# KiCad board kicad.kicad_pcb
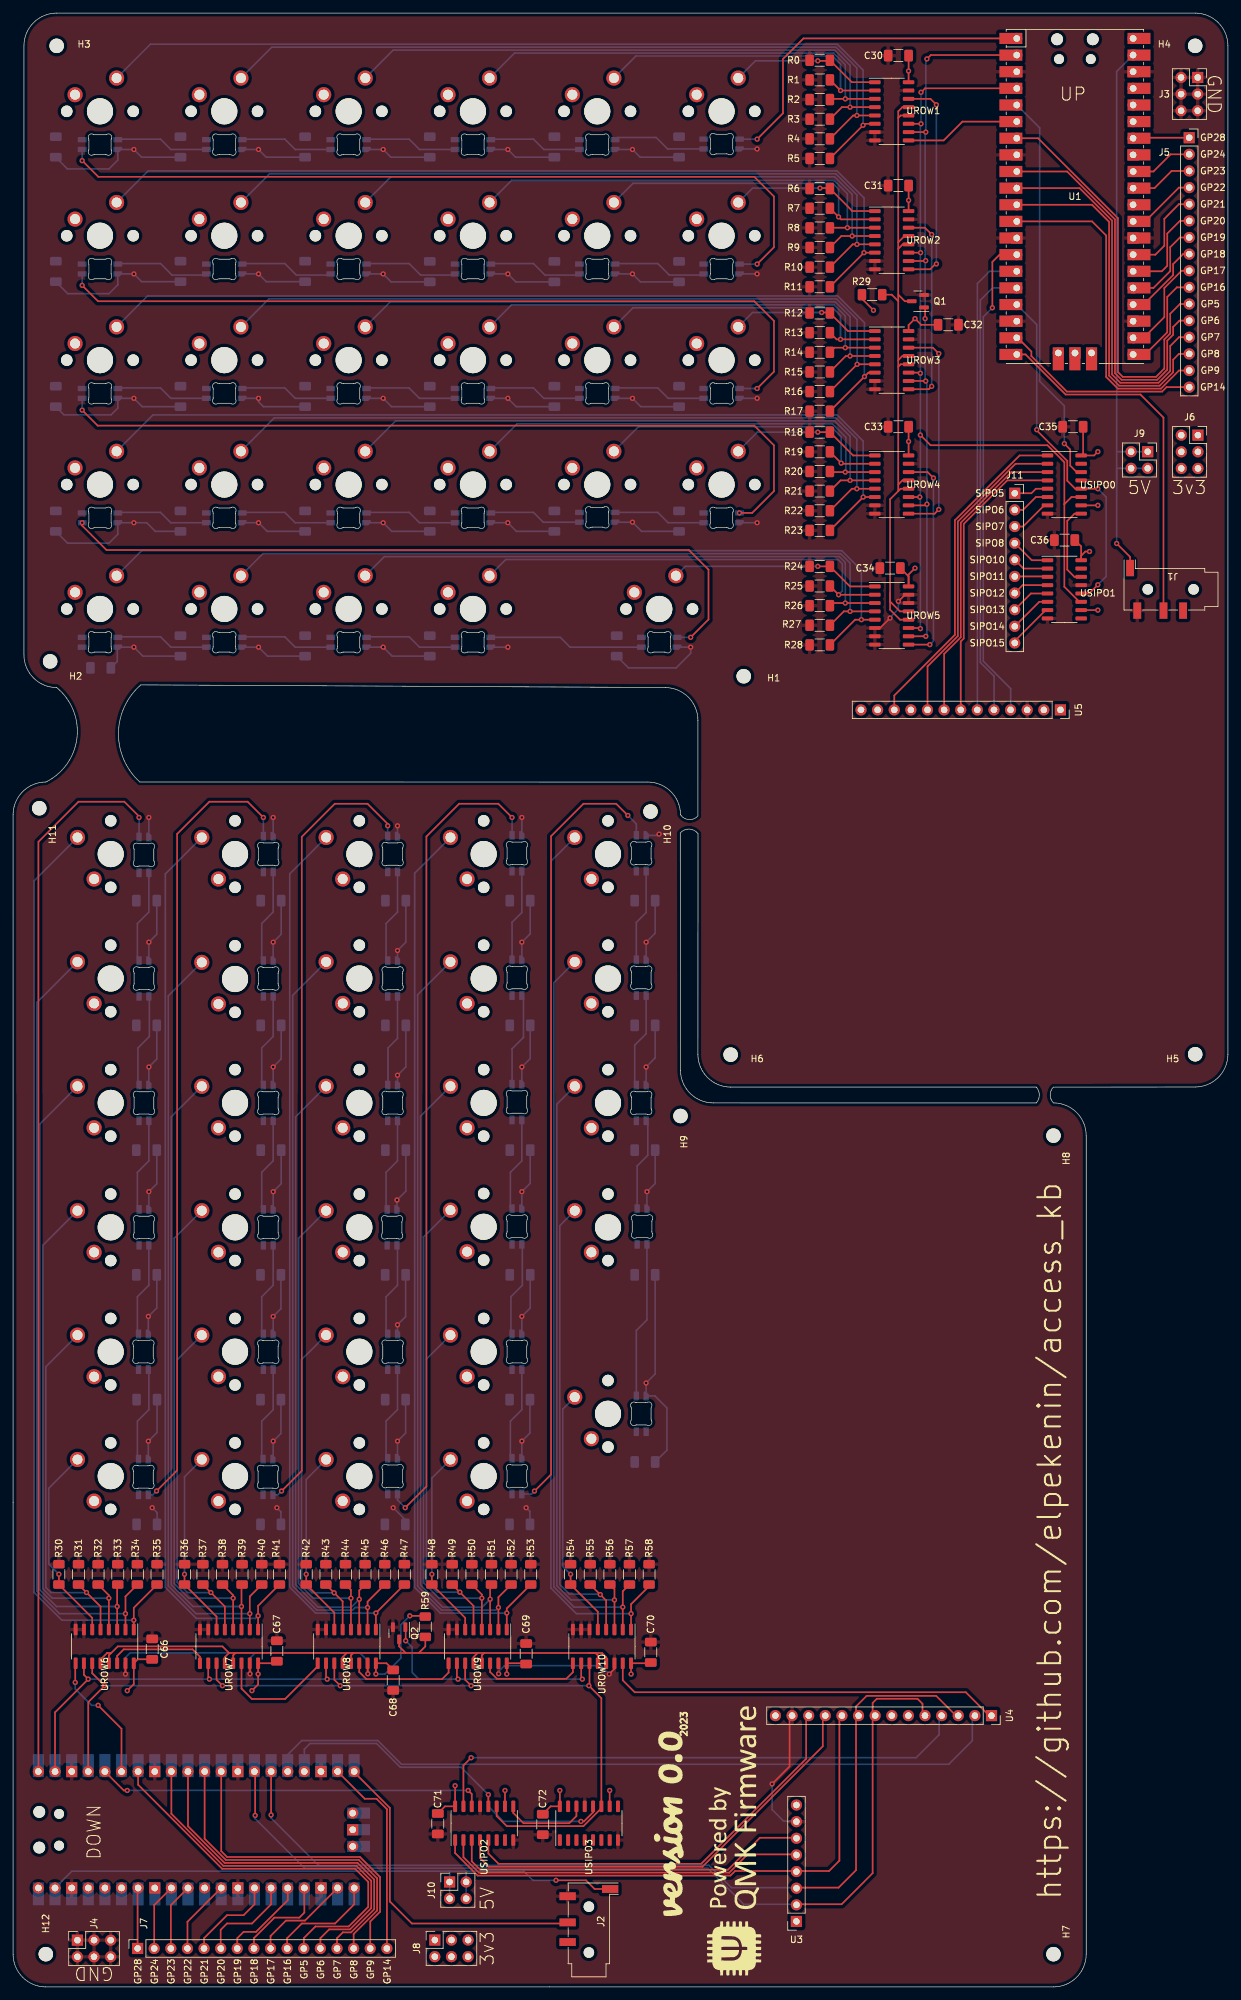
[diagram p0: board, top side]
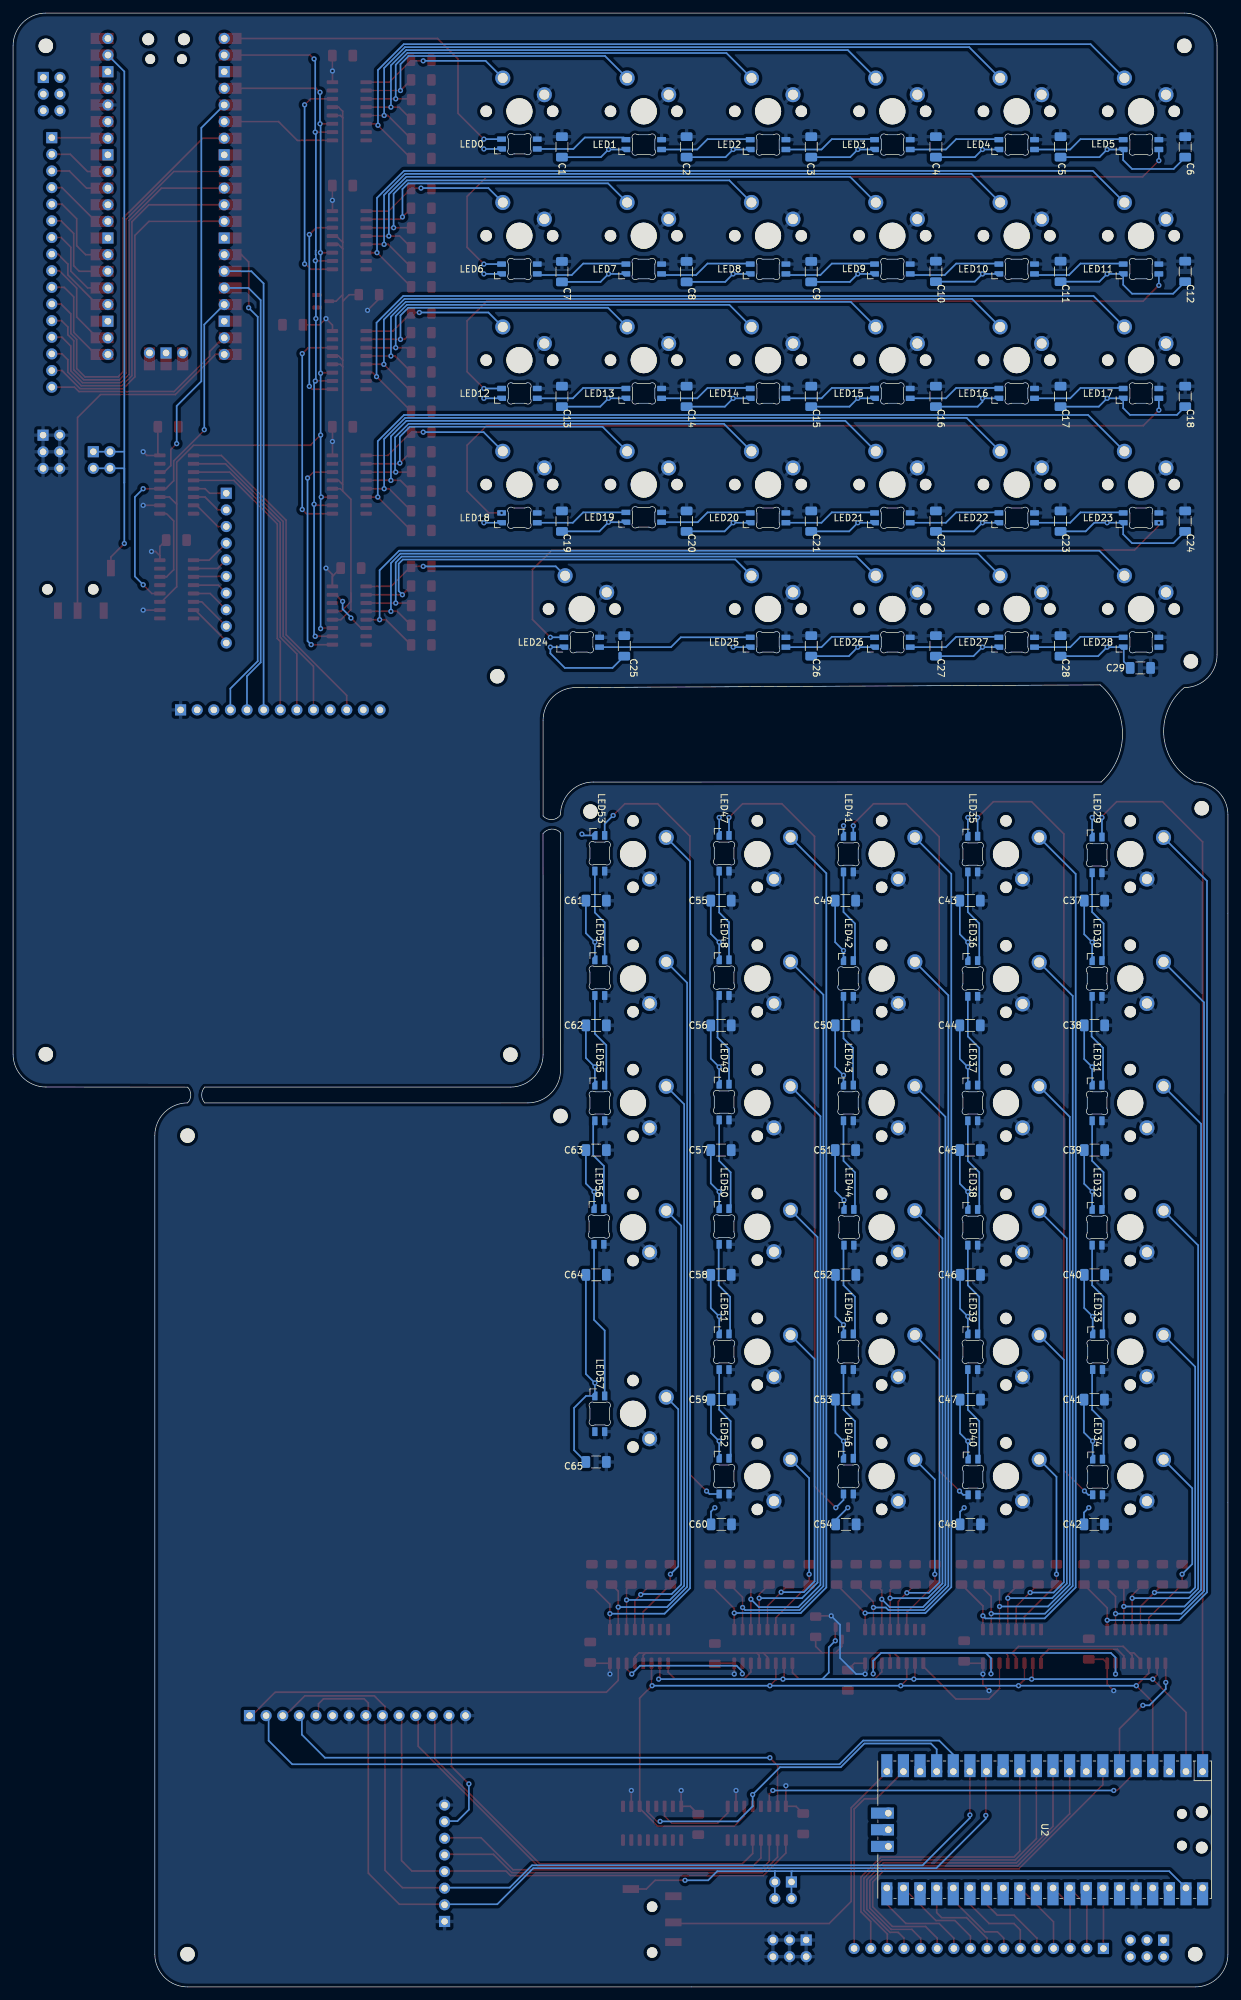
[diagram p1: board, bottom side, seen from below]

Outline 185.66 x 301.43 mm; copper layers: Top, Bottom. Coordinates in mm from the lower left corner of the outline.
Outline path: 0,179 arc(1.46,182.54) 5,184 arc(9.77,190.76) 6.66,198.43 arc(3.12,199.89) 1.66,203.43 1.66,296.43 arc(3.12,299.97) 6.66,301.43 180.66,301.43 arc(184.2,299.97) 185.66,296.43 185.66,142.43 arc(184.2,138.89) 180.66,137.43 158.98,137.4 arc(158.5,136.2) 159,135 arc(162.54,133.54) 164,130 164,5 arc(162.54,1.46) 159,0 5,0 arc(1.46,1.46) 0,5 0,179 ; 19.37,184.01 arc(16.11,191.46) 19.53,198.84 99.66,198.43 arc(103.2,196.97) 104.66,193.43 104.66,178.82 arc(103.29,178.26) 102,179 arc(100.54,182.54) 97,184 19.37,184.01 ; 101.97,176.23 102,140 arc(103.46,136.46) 107,135 156.37,134.99 arc(156.84,136.2) 156.38,137.41 109.66,137.42 arc(106.12,138.88) 104.66,142.42 104.68,176.12 arc(103.35,176.82) 101.97,176.23

## Placement (name value [footprint] x y rotation side)
C1  C_Small  [C_1206_3216Metric_Pad1.33x1.80mm_HandSolder]  101.78 280.99 90 bottom
C2  C_Small  [C_1206_3216Metric_Pad1.33x1.80mm_HandSolder]  82.73 280.99 90 bottom
C3  C_Small  [C_1206_3216Metric_Pad1.33x1.80mm_HandSolder]  63.68 280.99 90 bottom
C4  C_Small  [C_1206_3216Metric_Pad1.33x1.80mm_HandSolder]  44.63 280.99 90 bottom
C5  C_Small  [C_1206_3216Metric_Pad1.33x1.80mm_HandSolder]  25.58 280.99 90 bottom
C6  C_Small  [C_1206_3216Metric_Pad1.33x1.80mm_HandSolder]  6.53 280.99 90 bottom
C7  C_Small  [C_1206_3216Metric_Pad1.33x1.80mm_HandSolder]  101.78 261.94 90 bottom
C8  C_Small  [C_1206_3216Metric_Pad1.33x1.80mm_HandSolder]  82.73 261.94 90 bottom
C9  C_Small  [C_1206_3216Metric_Pad1.33x1.80mm_HandSolder]  63.68 261.94 90 bottom
C10  C_Small  [C_1206_3216Metric_Pad1.33x1.80mm_HandSolder]  44.63 261.98 90 bottom
C11  C_Small  [C_1206_3216Metric_Pad1.33x1.80mm_HandSolder]  25.58 261.98 90 bottom
C12  C_Small  [C_1206_3216Metric_Pad1.33x1.80mm_HandSolder]  6.53 261.98 90 bottom
C13  C_Small  [C_1206_3216Metric_Pad1.33x1.80mm_HandSolder]  101.78 242.89 90 bottom
C14  C_Small  [C_1206_3216Metric_Pad1.33x1.80mm_HandSolder]  82.73 242.89 90 bottom
C15  C_Small  [C_1206_3216Metric_Pad1.33x1.80mm_HandSolder]  63.68 242.89 90 bottom
C16  C_Small  [C_1206_3216Metric_Pad1.33x1.80mm_HandSolder]  44.63 242.89 90 bottom
C17  C_Small  [C_1206_3216Metric_Pad1.33x1.80mm_HandSolder]  25.58 242.89 90 bottom
C18  C_Small  [C_1206_3216Metric_Pad1.33x1.80mm_HandSolder]  6.53 242.89 90 bottom
C19  C_Small  [C_1206_3216Metric_Pad1.33x1.80mm_HandSolder]  101.78 223.84 90 bottom
C20  C_Small  [C_1206_3216Metric_Pad1.33x1.80mm_HandSolder]  82.73 223.84 90 bottom
C21  C_Small  [C_1206_3216Metric_Pad1.33x1.80mm_HandSolder]  63.68 223.84 90 bottom
C22  C_Small  [C_1206_3216Metric_Pad1.33x1.80mm_HandSolder]  44.63 223.84 90 bottom
C23  C_Small  [C_1206_3216Metric_Pad1.33x1.80mm_HandSolder]  25.58 223.84 90 bottom
C24  C_Small  [C_1206_3216Metric_Pad1.33x1.80mm_HandSolder]  6.53 223.84 90 bottom
C25  C_Small  [C_1206_3216Metric_Pad1.33x1.80mm_HandSolder]  92.26 204.79 90 bottom
C26  C_Small  [C_1206_3216Metric_Pad1.33x1.80mm_HandSolder]  63.68 204.79 90 bottom
C27  C_Small  [C_1206_3216Metric_Pad1.33x1.80mm_HandSolder]  44.63 204.79 90 bottom
C28  C_Small  [C_1206_3216Metric_Pad1.33x1.80mm_HandSolder]  25.58 204.79 90 bottom
C29  C_Small  [C_1206_3216Metric_Pad1.33x1.80mm_HandSolder]  13.38 201.43 180 bottom
C30  C_Small  [C_1206_3216Metric_Pad1.33x1.80mm_HandSolder]  135.3 294.94 0 top
C31  C_Small  [C_1206_3216Metric_Pad1.33x1.80mm_HandSolder]  135.3 275.09 0 top
C32  C_Small  [C_1206_3216Metric_Pad1.33x1.80mm_HandSolder]  142.92 253.83 180 top
C33  C_Small  [C_1206_3216Metric_Pad1.33x1.80mm_HandSolder]  135.3 238.26 0 top
C34  C_Small  [C_1206_3216Metric_Pad1.33x1.80mm_HandSolder]  134.03 216.67 0 top
C35  C_Small  [C_1206_3216Metric_Pad1.33x1.80mm_HandSolder]  161.97 238.26 0 top
C36  C_Small  [C_1206_3216Metric_Pad1.33x1.80mm_HandSolder]  160.7 220.95 0 top
C37  C_Small  [C_1206_3216Metric_Pad1.33x1.80mm_HandSolder]  20.4 165.89 180 bottom
C38  C_Small  [C_1206_3216Metric_Pad1.33x1.80mm_HandSolder]  20.4 146.84 180 bottom
C39  C_Small  [C_1206_3216Metric_Pad1.33x1.80mm_HandSolder]  20.4 127.79 180 bottom
C40  C_Small  [C_1206_3216Metric_Pad1.33x1.80mm_HandSolder]  20.4 108.74 180 bottom
C41  C_Small  [C_1206_3216Metric_Pad1.33x1.80mm_HandSolder]  20.44 89.69 180 bottom
C42  C_Small  [C_1206_3216Metric_Pad1.33x1.80mm_HandSolder]  20.44 70.64 180 bottom
C43  C_Small  [C_1206_3216Metric_Pad1.33x1.80mm_HandSolder]  39.41 165.89 180 bottom
C44  C_Small  [C_1206_3216Metric_Pad1.33x1.80mm_HandSolder]  39.41 146.84 180 bottom
C45  C_Small  [C_1206_3216Metric_Pad1.33x1.80mm_HandSolder]  39.41 127.79 180 bottom
C46  C_Small  [C_1206_3216Metric_Pad1.33x1.80mm_HandSolder]  39.37 108.74 180 bottom
C47  C_Small  [C_1206_3216Metric_Pad1.33x1.80mm_HandSolder]  39.37 89.69 180 bottom
C48  C_Small  [C_1206_3216Metric_Pad1.33x1.80mm_HandSolder]  39.37 70.64 180 bottom
C49  C_Small  [C_1206_3216Metric_Pad1.33x1.80mm_HandSolder]  58.46 165.89 180 bottom
C50  C_Small  [C_1206_3216Metric_Pad1.33x1.80mm_HandSolder]  58.46 146.84 180 bottom
C51  C_Small  [C_1206_3216Metric_Pad1.33x1.80mm_HandSolder]  58.46 127.79 180 bottom
C52  C_Small  [C_1206_3216Metric_Pad1.33x1.80mm_HandSolder]  58.42 108.74 180 bottom
C53  C_Small  [C_1206_3216Metric_Pad1.33x1.80mm_HandSolder]  58.42 89.69 180 bottom
C54  C_Small  [C_1206_3216Metric_Pad1.33x1.80mm_HandSolder]  58.39 70.64 180 bottom
C55  C_Small  [C_1206_3216Metric_Pad1.33x1.80mm_HandSolder]  77.47 165.89 180 bottom
C56  C_Small  [C_1206_3216Metric_Pad1.33x1.80mm_HandSolder]  77.47 146.84 180 bottom
C57  C_Small  [C_1206_3216Metric_Pad1.33x1.80mm_HandSolder]  77.47 127.79 180 bottom
C58  C_Small  [C_1206_3216Metric_Pad1.33x1.80mm_HandSolder]  77.47 108.74 180 bottom
C59  C_Small  [C_1206_3216Metric_Pad1.33x1.80mm_HandSolder]  77.44 89.69 180 bottom
C60  C_Small  [C_1206_3216Metric_Pad1.33x1.80mm_HandSolder]  77.44 70.64 180 bottom
C61  C_Small  [C_1206_3216Metric_Pad1.33x1.80mm_HandSolder]  96.56 165.89 180 bottom
C62  C_Small  [C_1206_3216Metric_Pad1.33x1.80mm_HandSolder]  96.56 146.84 180 bottom
C63  C_Small  [C_1206_3216Metric_Pad1.33x1.80mm_HandSolder]  96.56 127.79 180 bottom
C64  C_Small  [C_1206_3216Metric_Pad1.33x1.80mm_HandSolder]  96.56 108.74 180 bottom
C65  C_Small  [C_1206_3216Metric_Pad1.33x1.80mm_HandSolder]  96.56 80.17 180 bottom
C66  C_Small  [C_1206_3216Metric_Pad1.33x1.80mm_HandSolder]  21.26 51.59 270 top
C67  C_Small  [C_1206_3216Metric_Pad1.33x1.80mm_HandSolder]  40.31 51.3 270 top
C68  C_Small  [C_1206_3216Metric_Pad1.33x1.80mm_HandSolder]  58.09 46.85 90 top
C69  C_Small  [C_1206_3216Metric_Pad1.33x1.80mm_HandSolder]  78.41 50.88 270 top
C70  C_Small  [C_1206_3216Metric_Pad1.33x1.80mm_HandSolder]  97.46 51.1 270 top
C71  C_Small  [C_1206_3216Metric_Pad1.33x1.80mm_HandSolder]  64.91 24.92 90 top
C72  C_Small  [C_1206_3216Metric_Pad1.33x1.80mm_HandSolder]  80.95 24.81 90 top
G***  -  [LOGO]  134.83 38.76 90 top
G***#2  -  [LOGO]  110.16 22.38 90 top
H1  MountingHole  [MountingHole_2.2mm_M2]  111.66 200.16 0 top
H2  MountingHole  [MountingHole_2.2mm_M2]  5.66 202.43 0 top
H3  MountingHole  [MountingHole_2.2mm_M2]  6.66 296.43 0 top
H4  MountingHole  [MountingHole_2.2mm_M2]  180.66 296.43 0 top
H5  MountingHole  [MountingHole_2.2mm_M2]  180.66 142.43 0 top
H6  MountingHole  [MountingHole_2.2mm_M2#2]  109.66 142.42 0 top
H7  MountingHole  [MountingHole_2.2mm_M2]  159 5 90 top
H8  MountingHole  [MountingHole_2.2mm_M2]  159 130 90 top
H9  MountingHole  [MountingHole_2.2mm_M2]  102 133 90 top
H10  MountingHole  [MountingHole_2.2mm_M2]  97.42 179.5 90 top
H11  MountingHole  [MountingHole_2.2mm_M2]  4 180 90 top
H12  MountingHole  [MountingHole_2.2mm_M2]  5 5 90 top
J1  AudioJack4  [Jack_3.5mm_KoreanHropartsElec_PJ-320D-4A_Horizontal]  175.66 213.43 180 top
J2  AudioJack4  [Jack_3.5mm_KoreanHropartsElec_PJ-320D-4A_Horizontal]  88 10 90 top
J3  Conn_02x03_Top_Bottom  [PinSocket_2x03_P2.54mm_Vertical]  181.04 291.6 0 top
J4  Conn_02x03_Top_Bottom  [PinSocket_2x03_P2.54mm_Vertical]  9.83 7.14 90 top
J5  Conn_01x16_Female  [PinSocket_1x16_P2.54mm_Vertical]  179.75 282.4 0 top
J6  Conn_02x03_Top_Bottom  [PinSocket_2x03_P2.54mm_Vertical]  181.08 236.98 0 top
J7  Conn_01x16_Female  [PinSocket_1x16_P2.54mm_Vertical]  19.03 5.87 90 top
J8  Conn_02x03_Top_Bottom  [PinSocket_2x03_P2.54mm_Vertical]  64.46 7.16 90 top
J9  Conn_02x02_Top_Bottom  [PinSocket_2x02_P2.54mm_Vertical]  173.4 234.45 0 top
J10  Conn_02x02_Top_Bottom  [PinSocket_2x02_P2.54mm_Vertical]  66.71 16.03 90 top
J11  Conn_01x10_Female  [PinSocket_1x10_P2.54mm_Vertical]  153.08 228.1 0 top
LED0  MX_SK6812MINI-E  [LED_MX_6028R]  108.28 281.43 180 bottom
LED1  MX_SK6812MINI-E  [LED_MX_6028R]  89.28 281.35 180 bottom
LED2  MX_SK6812MINI-E  [LED_MX_6028R]  70.28 281.35 180 bottom
LED3  MX_SK6812MINI-E  [LED_MX_6028R]  51.28 281.35 180 bottom
LED4  MX_SK6812MINI-E  [LED_MX_6028R]  32.28 281.35 180 bottom
LED5  MX_SK6812MINI-E  [LED_MX_6028R]  13.28 281.35 180 bottom
LED6  MX_SK6812MINI-E  [LED_MX_6028R]  108.28 262.35 180 bottom
LED7  MX_SK6812MINI-E  [LED_MX_6028R]  89.28 262.35 180 bottom
LED8  MX_SK6812MINI-E  [LED_MX_6028R]  70.28 262.35 180 bottom
LED9  MX_SK6812MINI-E  [LED_MX_6028R]  51.28 262.35 180 bottom
LED10  MX_SK6812MINI-E  [LED_MX_6028R]  32.28 262.35 180 bottom
LED11  MX_SK6812MINI-E  [LED_MX_6028R]  13.28 262.35 180 bottom
LED12  MX_SK6812MINI-E  [LED_MX_6028R]  108.28 243.35 180 bottom
LED13  MX_SK6812MINI-E  [LED_MX_6028R]  89.28 243.35 180 bottom
LED14  MX_SK6812MINI-E  [LED_MX_6028R]  70.28 243.35 180 bottom
LED15  MX_SK6812MINI-E  [LED_MX_6028R]  51.28 243.35 180 bottom
LED16  MX_SK6812MINI-E  [LED_MX_6028R]  32.28 243.35 180 bottom
LED17  MX_SK6812MINI-E  [LED_MX_6028R]  13.28 243.35 180 bottom
LED18  MX_SK6812MINI-E  [LED_MX_6028R]  108.28 224.35 180 bottom
LED19  MX_SK6812MINI-E  [LED_MX_6028R]  89.28 224.43 180 bottom
LED20  MX_SK6812MINI-E  [LED_MX_6028R]  70.28 224.35 180 bottom
LED21  MX_SK6812MINI-E  [LED_MX_6028R]  51.28 224.35 180 bottom
LED22  MX_SK6812MINI-E  [LED_MX_6028R]  32.28 224.35 180 bottom
LED23  MX_SK6812MINI-E  [LED_MX_6028R]  13.28 224.35 180 bottom
LED24  MX_SK6812MINI-E  [LED_MX_6028R]  98.76 205.35 180 bottom
LED25  MX_SK6812MINI-E  [LED_MX_6028R]  70.28 205.35 180 bottom
LED26  MX_SK6812MINI-E  [LED_MX_6028R]  51.28 205.35 180 bottom
LED27  MX_SK6812MINI-E  [LED_MX_6028R]  32.28 205.35 180 bottom
LED28  MX_SK6812MINI-E  [LED_MX_6028R]  13.28 205.35 180 bottom
LED29  MX_SK6812MINI-E  [LED_MX_6028R]  20 172.88 270 bottom
LED30  MX_SK6812MINI-E  [LED_MX_6028R]  20 154 270 bottom
LED31  MX_SK6812MINI-E  [LED_MX_6028R]  20 135 270 bottom
LED32  MX_SK6812MINI-E  [LED_MX_6028R]  20 116 270 bottom
LED33  MX_SK6812MINI-E  [LED_MX_6028R]  19.92 97 270 bottom
LED34  MX_SK6812MINI-E  [LED_MX_6028R]  19.92 77.88 270 bottom
LED35  MX_SK6812MINI-E  [LED_MX_6028R]  39 173 270 bottom
LED36  MX_SK6812MINI-E  [LED_MX_6028R]  39 154 270 bottom
LED37  MX_SK6812MINI-E  [LED_MX_6028R]  39 135 270 bottom
LED38  MX_SK6812MINI-E  [LED_MX_6028R]  39 116 270 bottom
LED39  MX_SK6812MINI-E  [LED_MX_6028R]  39 97 270 bottom
LED40  MX_SK6812MINI-E  [LED_MX_6028R]  38.96 77.88 270 bottom
LED41  MX_SK6812MINI-E  [LED_MX_6028R]  58 173 270 bottom
LED42  MX_SK6812MINI-E  [LED_MX_6028R]  58 154 270 bottom
LED43  MX_SK6812MINI-E  [LED_MX_6028R]  58 135 270 bottom
LED44  MX_SK6812MINI-E  [LED_MX_6028R]  57.92 116 270 bottom
LED45  MX_SK6812MINI-E  [LED_MX_6028R]  58 97 270 bottom
LED46  MX_SK6812MINI-E  [LED_MX_6028R]  58 78 270 bottom
LED47  MX_SK6812MINI-E  [LED_MX_6028R]  77 173.13 270 bottom
LED48  MX_SK6812MINI-E  [LED_MX_6028R]  77 154.13 270 bottom
LED49  MX_SK6812MINI-E  [LED_MX_6028R]  77 135.13 270 bottom
LED50  MX_SK6812MINI-E  [LED_MX_6028R]  77 116.13 270 bottom
LED51  MX_SK6812MINI-E  [LED_MX_6028R]  77 97 270 bottom
LED52  MX_SK6812MINI-E  [LED_MX_6028R]  77 78 270 bottom
LED53  MX_SK6812MINI-E  [LED_MX_6028R]  96 173.13 270 bottom
LED54  MX_SK6812MINI-E  [LED_MX_6028R]  96 154.13 270 bottom
LED55  MX_SK6812MINI-E  [LED_MX_6028R]  96 135 270 bottom
LED56  MX_SK6812MINI-E  [LED_MX_6028R]  96.13 116.13 270 bottom
LED57  MX_SK6812MINI-E  [LED_MX_6028R]  96 87.53 270 bottom
Q1  2N7002  [SOT-23]  138.28 257.43 180 top
Q2  2N7002  [SOT-23]  59 54 270 top
R0  R_Small  [R_1206_3216Metric_Pad1.30x1.75mm_HandSolder]  123.28 294.23 0 top
R1  R_Small  [R_1206_3216Metric_Pad1.30x1.75mm_HandSolder]  123.28 291.23 0 top
R2  R_Small  [R_1206_3216Metric_Pad1.30x1.75mm_HandSolder]  123.28 288.23 0 top
R3  R_Small  [R_1206_3216Metric_Pad1.30x1.75mm_HandSolder]  123.28 285.23 0 top
R4  R_Small  [R_1206_3216Metric_Pad1.30x1.75mm_HandSolder]  123.28 282.23 0 top
R5  R_Small  [R_1206_3216Metric_Pad1.30x1.75mm_HandSolder]  123.28 279.23 0 top
R6  R_Small  [R_1206_3216Metric_Pad1.30x1.75mm_HandSolder]  123.28 274.63 0 top
R7  R_Small  [R_1206_3216Metric_Pad1.30x1.75mm_HandSolder]  123.28 271.63 0 top
R8  R_Small  [R_1206_3216Metric_Pad1.30x1.75mm_HandSolder]  123.28 268.63 0 top
R9  R_Small  [R_1206_3216Metric_Pad1.30x1.75mm_HandSolder]  123.28 265.63 0 top
R10  R_Small  [R_1206_3216Metric_Pad1.30x1.75mm_HandSolder]  123.28 262.63 0 top
R11  R_Small  [R_1206_3216Metric_Pad1.30x1.75mm_HandSolder]  123.28 259.63 0 top
R12  R_Small  [R_1206_3216Metric_Pad1.30x1.75mm_HandSolder]  123.28 255.63 0 top
R13  R_Small  [R_1206_3216Metric_Pad1.30x1.75mm_HandSolder]  123.28 252.63 0 top
R14  R_Small  [R_1206_3216Metric_Pad1.30x1.75mm_HandSolder]  123.28 249.63 0 top
R15  R_Small  [R_1206_3216Metric_Pad1.30x1.75mm_HandSolder]  123.28 246.63 0 top
R16  R_Small  [R_1206_3216Metric_Pad1.30x1.75mm_HandSolder]  123.28 243.63 0 top
R17  R_Small  [R_1206_3216Metric_Pad1.30x1.75mm_HandSolder]  123.28 240.63 0 top
R18  R_Small  [R_1206_3216Metric_Pad1.30x1.75mm_HandSolder]  123.28 237.43 0 top
R19  R_Small  [R_1206_3216Metric_Pad1.30x1.75mm_HandSolder]  123.28 234.43 0 top
R20  R_Small  [R_1206_3216Metric_Pad1.30x1.75mm_HandSolder]  123.28 231.43 0 top
R21  R_Small  [R_1206_3216Metric_Pad1.30x1.75mm_HandSolder]  123.28 228.43 0 top
R22  R_Small  [R_1206_3216Metric_Pad1.30x1.75mm_HandSolder]  123.28 225.43 0 top
R23  R_Small  [R_1206_3216Metric_Pad1.30x1.75mm_HandSolder]  123.28 222.43 0 top
R24  R_Small  [R_1206_3216Metric_Pad1.30x1.75mm_HandSolder]  123.28 216.94 0 top
R25  R_Small  [R_1206_3216Metric_Pad1.30x1.75mm_HandSolder]  123.28 213.94 0 top
R26  R_Small  [R_1206_3216Metric_Pad1.30x1.75mm_HandSolder]  123.28 210.94 0 top
R27  R_Small  [R_1206_3216Metric_Pad1.30x1.75mm_HandSolder]  123.28 207.94 0 top
R28  R_Small  [R_1206_3216Metric_Pad1.30x1.75mm_HandSolder]  123.28 204.94 0 top
R29  R_Small  [R_1206_3216Metric_Pad1.30x1.75mm_HandSolder]  131.28 258.43 0 top
R30  R_Small  [R_1206_3216Metric_Pad1.30x1.75mm_HandSolder]  7 63 270 top
R31  R_Small  [R_1206_3216Metric_Pad1.30x1.75mm_HandSolder]  10 63 270 top
R32  R_Small  [R_1206_3216Metric_Pad1.30x1.75mm_HandSolder]  13 63 270 top
R33  R_Small  [R_1206_3216Metric_Pad1.30x1.75mm_HandSolder]  16 63 270 top
R34  R_Small  [R_1206_3216Metric_Pad1.30x1.75mm_HandSolder]  19 63 270 top
R35  R_Small  [R_1206_3216Metric_Pad1.30x1.75mm_HandSolder]  22 63 270 top
R36  R_Small  [R_1206_3216Metric_Pad1.30x1.75mm_HandSolder]  26.2 63 270 top
R37  R_Small  [R_1206_3216Metric_Pad1.30x1.75mm_HandSolder]  29 63 270 top
R38  R_Small  [R_1206_3216Metric_Pad1.30x1.75mm_HandSolder]  32 63 270 top
R39  R_Small  [R_1206_3216Metric_Pad1.30x1.75mm_HandSolder]  35 63 270 top
R40  R_Small  [R_1206_3216Metric_Pad1.30x1.75mm_HandSolder]  38 63 270 top
R41  R_Small  [R_1206_3216Metric_Pad1.30x1.75mm_HandSolder]  40.71 63 270 top
R42  R_Small  [R_1206_3216Metric_Pad1.30x1.75mm_HandSolder]  44.8 63 270 top
R43  R_Small  [R_1206_3216Metric_Pad1.30x1.75mm_HandSolder]  47.8 63 270 top
R44  R_Small  [R_1206_3216Metric_Pad1.30x1.75mm_HandSolder]  50.8 63 270 top
R45  R_Small  [R_1206_3216Metric_Pad1.30x1.75mm_HandSolder]  53.8 63 270 top
R46  R_Small  [R_1206_3216Metric_Pad1.30x1.75mm_HandSolder]  56.8 63 270 top
R47  R_Small  [R_1206_3216Metric_Pad1.30x1.75mm_HandSolder]  59.8 63 270 top
R48  R_Small  [R_1206_3216Metric_Pad1.30x1.75mm_HandSolder]  64 63 270 top
R49  R_Small  [R_1206_3216Metric_Pad1.30x1.75mm_HandSolder]  67.11 63 270 top
R50  R_Small  [R_1206_3216Metric_Pad1.30x1.75mm_HandSolder]  70.11 63 270 top
R51  R_Small  [R_1206_3216Metric_Pad1.30x1.75mm_HandSolder]  73.11 63 270 top
R52  R_Small  [R_1206_3216Metric_Pad1.30x1.75mm_HandSolder]  76.11 63 270 top
R53  R_Small  [R_1206_3216Metric_Pad1.30x1.75mm_HandSolder]  79.11 63 270 top
R54  R_Small  [R_1206_3216Metric_Pad1.30x1.75mm_HandSolder]  85.2 63 270 top
R55  R_Small  [R_1206_3216Metric_Pad1.30x1.75mm_HandSolder]  88.2 63 270 top
R56  R_Small  [R_1206_3216Metric_Pad1.30x1.75mm_HandSolder]  91.2 63 270 top
R57  R_Small  [R_1206_3216Metric_Pad1.30x1.75mm_HandSolder]  94.2 63 270 top
R58  R_Small  [R_1206_3216Metric_Pad1.30x1.75mm_HandSolder]  97.2 63 270 top
R59  R_Small  [R_1206_3216Metric_Pad1.30x1.75mm_HandSolder]  63 55 270 top
SW0  MX_SW  [SW_MX_1u]  108.28 286.43 0 top
SW1  MX_SW  [SW_MX_1u]  89.28 286.43 0 top
SW2  MX_SW  [SW_MX_1u]  70.28 286.43 0 top
SW3  MX_SW  [SW_MX_1u]  51.28 286.43 0 top
SW4  MX_SW  [SW_MX_1u]  32.28 286.43 0 top
SW5  MX_SW  [SW_MX_1u]  13.28 286.43 0 top
SW6  MX_SW  [SW_MX_1u]  108.28 267.43 0 top
SW7  MX_SW  [SW_MX_1u]  89.28 267.43 0 top
SW8  MX_SW  [SW_MX_1u]  70.28 267.43 0 top
SW9  MX_SW  [SW_MX_1u]  51.28 267.43 0 top
SW10  MX_SW  [SW_MX_1u]  32.28 267.43 0 top
SW11  MX_SW  [SW_MX_1u]  13.28 267.43 0 top
SW12  MX_SW  [SW_MX_1u]  108.28 248.43 0 top
SW13  MX_SW  [SW_MX_1u]  89.28 248.43 0 top
SW14  MX_SW  [SW_MX_1u]  70.28 248.43 0 top
SW15  MX_SW  [SW_MX_1u]  51.28 248.43 0 top
SW16  MX_SW  [SW_MX_1u]  32.28 248.43 0 top
SW17  MX_SW  [SW_MX_1u]  13.28 248.43 0 top
SW18  MX_SW  [SW_MX_1u]  108.28 229.43 0 top
SW19  MX_SW  [SW_MX_1u]  89.28 229.43 0 top
SW20  MX_SW  [SW_MX_1u]  70.28 229.43 0 top
SW21  MX_SW  [SW_MX_1u]  51.28 229.43 0 top
SW22  MX_SW  [SW_MX_1u]  32.28 229.43 0 top
SW23  MX_SW  [SW_MX_1u]  13.28 229.43 0 top
SW24  MX_SW  [SW_MX_1u]  98.76 210.43 0 top
SW25  MX_SW  [SW_MX_1u]  70.28 210.43 0 top
SW26  MX_SW  [SW_MX_1u]  51.28 210.43 0 top
SW27  MX_SW  [SW_MX_1u]  32.28 210.43 0 top
SW28  MX_SW  [SW_MX_1u]  13.28 210.43 0 top
SW29  MX_SW  [SW_MX_1u]  14.92 78 90 top
SW30  MX_SW  [SW_MX_1u]  14.92 97 90 top
SW31  MX_SW  [SW_MX_1u]  14.92 116 90 top
SW32  MX_SW  [SW_MX_1u]  14.92 135 90 top
SW33  MX_SW  [SW_MX_1u]  14.92 154 90 top
SW34  MX_SW  [SW_MX_1u]  14.92 173 90 top
SW35  MX_SW  [SW_MX_1u]  33.92 78 90 top
SW36  MX_SW  [SW_MX_1u]  33.92 97 90 top
SW37  MX_SW  [SW_MX_1u]  33.92 116 90 top
SW38  MX_SW  [SW_MX_1u]  33.92 135 90 top
SW39  MX_SW  [SW_MX_1u]  33.92 153.92 90 top
SW40  MX_SW  [SW_MX_1u]  33.92 173 90 top
SW41  MX_SW  [SW_MX_1u]  52.92 78 90 top
SW42  MX_SW  [SW_MX_1u]  52.92 97 90 top
SW43  MX_SW  [SW_MX_1u]  52.92 116 90 top
SW44  MX_SW  [SW_MX_1u]  52.92 135 90 top
SW45  MX_SW  [SW_MX_1u]  52.92 154 90 top
SW46  MX_SW  [SW_MX_1u]  52.92 173 90 top
SW47  MX_SW  [SW_MX_1u]  71.92 78 90 top
SW48  MX_SW  [SW_MX_1u]  71.92 97 90 top
SW49  MX_SW  [SW_MX_1u]  71.92 116.08 90 top
SW50  MX_SW  [SW_MX_1u]  71.92 135 90 top
SW51  MX_SW  [SW_MX_1u]  71.92 154 90 top
SW52  MX_SW  [SW_MX_1u]  71.92 173 90 top
SW53  MX_SW  [SW_MX_1u]  90.92 87.53 90 top
SW54  MX_SW  [SW_MX_1u]  90.92 116 90 top
SW55  MX_SW  [SW_MX_1u]  90.92 135 90 top
SW56  MX_SW  [SW_MX_1u]  90.92 154 90 top
SW57  MX_SW  [SW_MX_1u]  90.92 173 90 top
U1  Pico  [RPi_Pico_SMD_TH]  162.28 273.43 0 top
U2  Pico  [RPi_Pico_SMD_TH]  28 24 270 bottom
U3  ILI9163  [PinSocket_1x08_P2.54mm_Vertical]  119.72 10 180 top
U4  ILI9341_TS  [PinSocket_1x14_P2.54mm_Vertical]  149.53 41.43 270 top
U5  IL91874  [PinSocket_1x13_P2.54mm_Vertical]  160.07 195.02 270 top
UROW1  MC74HC589ADR2G  [SO-16_3.9x9.9mm_P1.27mm]  134.28 286.43 0 top
UROW2  MC74HC589ADR2G  [SO-16_3.9x9.9mm_P1.27mm]  134.28 266.75 0 top
UROW3  MC74HC589ADR2G  [SO-16_3.9x9.9mm_P1.27mm]  134.28 248.43 0 top
UROW4  MC74HC589ADR2G  [SO-16_3.9x9.9mm_P1.27mm]  134.28 229.43 0 top
UROW5  MC74HC589ADR2G  [SO-16_3.9x9.9mm_P1.27mm]  134.28 209.43 0 top
UROW6  MC74HC589ADR2G  [SO-16_3.9x9.9mm_P1.27mm]  14 52 270 top
UROW7  MC74HC589ADR2G  [SO-16_3.9x9.9mm_P1.27mm]  33 52 270 top
UROW8  MC74HC589ADR2G  [SO-16_3.9x9.9mm_P1.27mm]  51 52 270 top